# Altium PCB wrist_band_v1.0.PcbDoc (part 2 of 2)
Units mm, origin at the board's own origin, x right, y up, seen from the top; angles counter-clockwise.
Board outline 34.18 x 30.85 mm, 6 copper layers (Top Layer, Layer 1, Layer 3, Layer 4, Layer 2, Bottom Layer), stack 1.546 mm thick; 85 components, 60 nets, 319 pads, 116 vias.
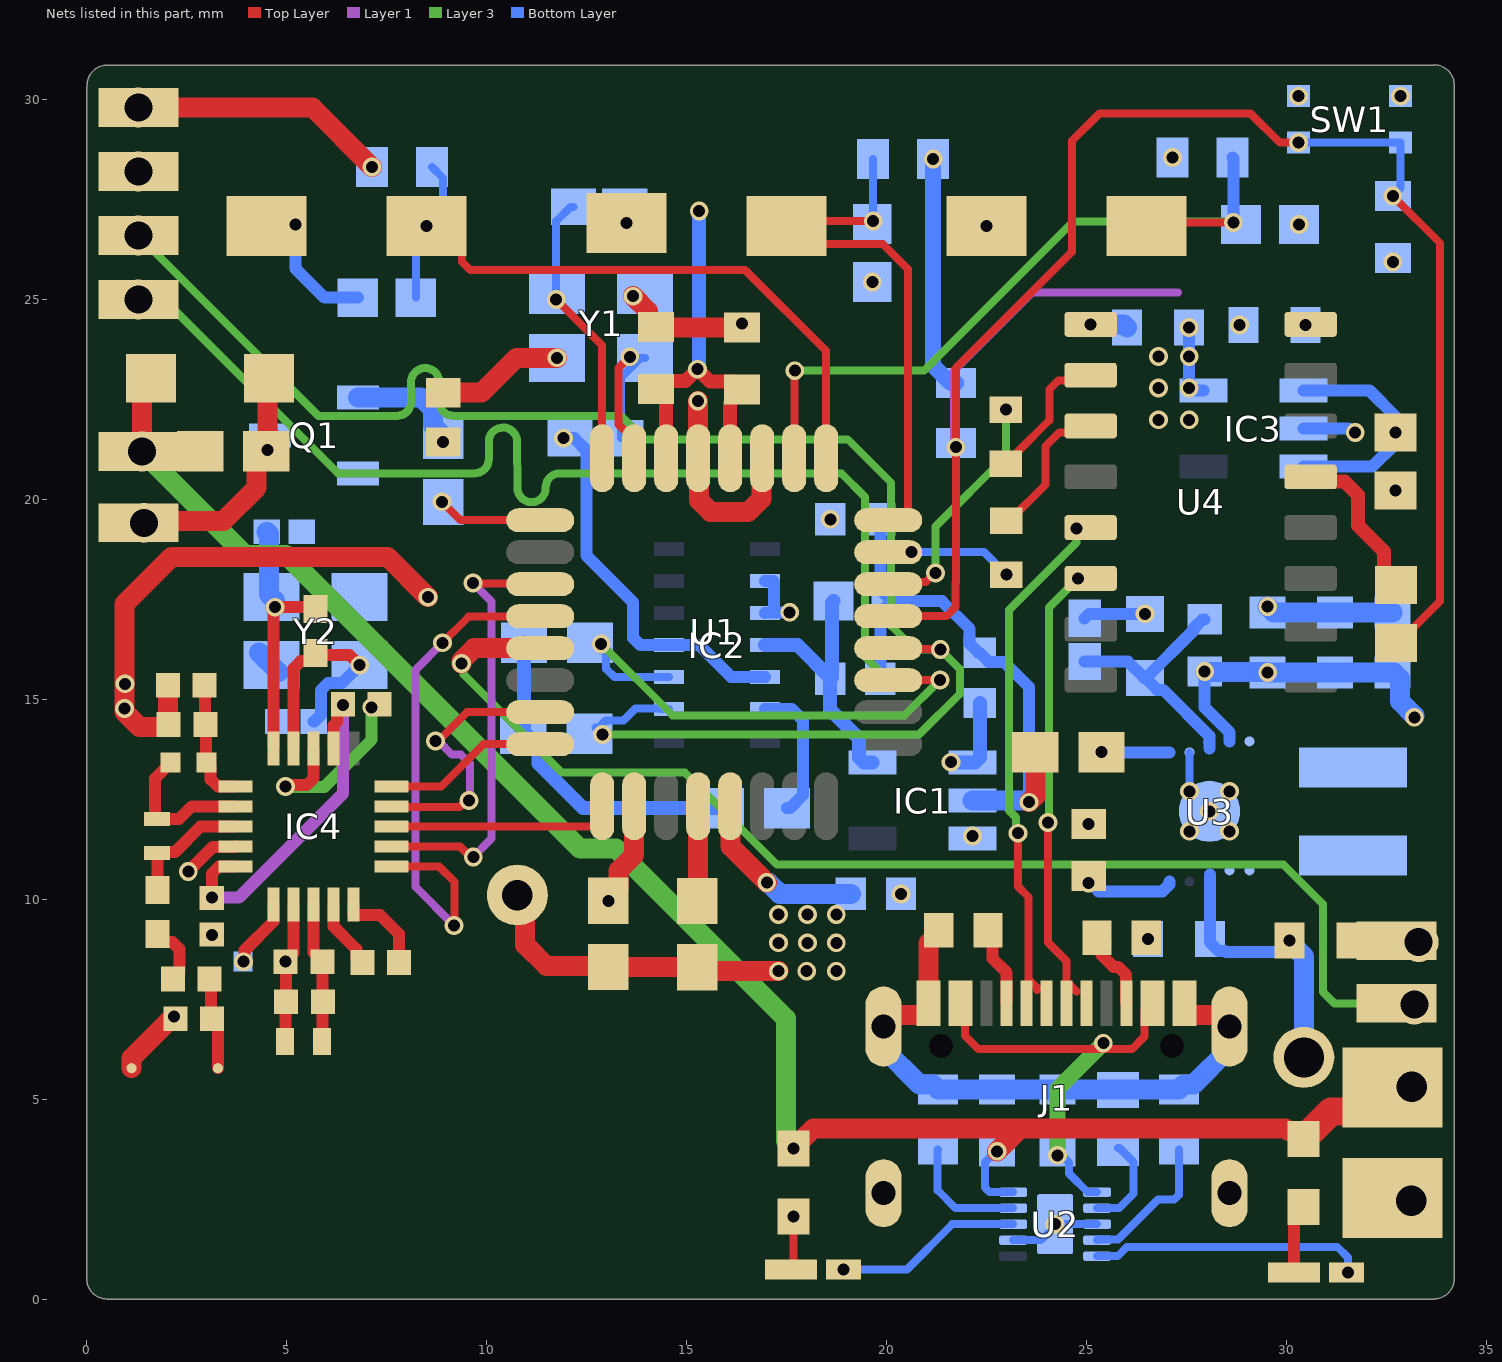
[diagram p6: the nets of this part, all layers, seen from the top]

## Part data (continued)
R20 R21: library part CMP-1659-00009-5, "RES 1K OHM 1% 1/10W 0603", Case Code (Imperial)=0603, Case Code (Metric)=1608, Max Operating Temperature=155°C, Max Power Dissipation=100mW, Min Operating Temperature=-55°C, Resistance=1kR, Resistance Tolerance=1%, Resistor Type="Thick Film", Temperature Coefficient=100ppm/°C, Voltage Rating=50V, Case/Package=0603, Construction=Rectangular, Contact Plating=Tin, Depth=0.8mm, Features="Moisture Resistant", Height=0.45mm, Lead Free="Lead Free", Length=1.6mm, Military Standard=Not, Number of Terminations=2, Packaging="Tape and Reel", Power Rating=100mW, Radiation Hardening=No, REACH SVHC="No SVHC", RoHS Compliant=Yes, Series=RC, Size Code=0603, Technology="THICK FILM", Termination=SMD/SMT, Tolerance=1%
R22 R23: library part CMP-1012-00590-3, "RES Thick Film, 5.1kΩ, 1%, 0.1W, 100ppm/°C, 0603", Case Code (Imperial)=0603, Case Code (Metric)=1608, Max Operating Temperature=155°C, Min Operating Temperature=-55°C, Package Quantity=5000, Power Rating=100mW, Resistance=5.1kR, Temperature Coefficient=100ppm/°C, Tolerance=1%, Voltage Rating=75V, Case/Package=0603, Composition="Thick Film", Contact Plating=Tin, Depth=0.85mm, Height=0.45mm, Lead Free="Lead Free", Length=1.55mm, Military Standard=Not, Mount="Surface Mount", Packaging="Tape and Reel", Radiation Hardening=No, Termination=SMD/SMT, Voltage Rating (DC)=75V, Weight=7.1E-05oz, Width=0.85mm
SW1: "Switch", Manufacturer_Name="TE Connectivity", Mouser Part Number=506-USLPT2819DT2TR, Arrow Part Number=USLPT2819DT2TR, Arrow Price/Stock=https://www.arrow.com/en/products/uslpt2819dt2tr/te-connectivity?region=nac, Datasheet Link=https://www.te.com/commerce/DocumentDelivery/DDEController?Action=srchrtrv&DocNm=2337225-1&DocType=Data%20Sheet&DocLang=English&PartCntxt=2337225-1&DocFormat=pdf, Height=0.6mm, Manufacturer_Part_Number=USLPT2819DT2TR, Mouser Price/Stock=https://www.mouser.co.uk/ProductDetail/TE-Connectivity-PB/USLPT2819DT2TR?qs=qSfuJ%252Bfl%2Fd7zUoyEnK5Yzg%3D%3D
U1: library part CMP-020-00003-3, "8-Bit Microcontroller with 32 KBytes In-System Programmable Flash, 23 I/Os, -40 to 85 degC, 32-Pin TQFP (32A), RoHS, Tray", Case/Package=TQFP, Clock Frequency=20MHz, Manufacturer=Atmel, Max Operating Temperature=85°C, Max Supply Voltage=5.5V, Min Operating Temperature=-40°C, Min Supply Voltage=1.8V, Package Description="32-Pin Thin Profile Plastic Quad Flat Package, Body 7 x 7 mm, Pitch 0.8 mm", Package Quantity=250, Package Reference=32A, ADC Channels=8, Datasheet URL=http://www.atmel.com/images/Atmel-8271-8-bit-AVR-Microcontroller-ATmega48A-48PA-88A-88PA-168A-168PA-328-328P_datasheet_Complete.pdf, Datasheet Version="Rev. 8271J, 11/2015", Density=32KB, Ethernet Channels=0, Frequency=20MHz, I/Os=23, Interface=USART, Manufacturer URL=http://www.atmel.com/, Max Clock Frequency=20MHz, Mounting Technology=SM, Packaging=Tray, Pins=32, PWM Channels=6, RAM Size=2KB, RoHS Compliant=True, USB Channels=0
U2: library part CMP-0321-00456-2, "800 mA, Single-Input, Single Cell Li-Ion Battery Charger with Auto Start. Vovp=6.6 V, 3.5 V, -40 to 85 degC, 10-pin SON (DSQ), Green (RoHS & no Sb/Br)", Manufacturer="Texas Instruments", Over Voltage Protection=N, ComponentLink1Description=Datasheet, ComponentLink1URL=http://www.ti.com/general/docs/lit/getliterature.tsp?genericPartNumber=BQ24040&fileType=pdf, DatasheetVersion=SLUS941A, Eco-Plan="Green (RoHS & no Sb/Br)", Lead Acid=N, Li-Ion=N, Li-Polymer=N, Mounting Technology="Surface Mount", NiCd=N, NiMH=N, PackageDescription="10-Pin Plastic Small Outline No-Lead, 2 x 2 x 0.8 mm Body, 0.4 mm Pitch, Exposed Pad", PackageReference=DSQ0010A, PackageVersion="revB, Apr-2010", PartNumber=BQ24040DSQR, SubFamily="Battery Charge Management", Vin(Min)(V)=3.5
U3: library part CMP-04918-000043-1, "IC REG BCK BST ADJ 2A 10WSON", Ambient Temperature Range High=+85°C, Ambient Temperature Range Low=-40°C, Manufacturer="Texas Instruments", Max Junction Temp=+125°C, Max Supply Voltage=12V, Min Supply Voltage=2.5V, Nominal Supply Current=30uA, Output Current=1A, Output Voltage=2.5-8V, Package=DSC0010G, Switching Frequency=2400kHz, Temperature="-40°C to +85°C", Automotive=No, Category=IC, ComponentLink2Description=Datasheet, ComponentLink2URL=http://www.ti.com/lit/ds/symlink/tps63060.pdf, Device Class L1="Integrated Circuits (ICs)", Device Class L2="Power Management ICs", Device Class L3="Voltage Regulators - Switching", Digikey Description="IC REG BCK BST ADJ 2A 10WSON", Height=0.8mm, Ipc Land Pattern Name=DFN300X300X70-10, Lead Free=Yes, Manufacturer Part Number=TPS63060DSCR, Max Duty Cycle=100%, Mouser Description="Voltage Regulators - Switching Regulators 2.5-12Vin,2.25A Sw Crnt Limit", Number Of Outputs=1, Octopart=https://octopart.com/tps63060dscr-texas+instruments-21396306, Output Type=AdjustableProgrammable, RoHS=TRUE, Standoff Height=0mm, Switching Topology=Buck-Boost, Temperature Range High=+85°C, Temperature Range Low=-40°C
U4: "USB to serial chip CH340", Package=None, Availability="Not in stock", Check_prices=https://www.snapeda.com/parts/CH340C/WCH/view-part/?ref=eda, MF=WCH, MP=CH340C, Price=None, SnapEDA_Link=https://www.snapeda.com/parts/CH340C/WCH/view-part/?ref=snap
Y1: library part CMP-27762-015167-1, "Crystal 16MHz ±30ppm (Tol) ±30ppm (Stability) 10pF FUND 80Ω 4-Pin SMD T/R", Case/Package=CSMD, ESR (Equivalent Series Resistance)=80R, Frequency=16MHz, Frequency Stability=30ppm, Load Capacitance=10pF, Max Operating Temperature=70°C, Min Operating Temperature=-20°C, Operating Frequency="16 MHz", Package Quantity=1000, Depth=2.5mm, Frequency Tolerance=30ppm, Height=1mm, Lead Free="Lead Free", Length=3.2mm, Mount="Surface Mount", Number of Pins=4, Packaging="Tape and Reel", Series=ABM8G, Termination=SMD/SMT, Tolerance=30ppm, Width=2.5mm
Y2: library part CMP-2000-05039-3, "Crystal 12MHz ±20ppm (Tol) ±30ppm (Stability) 18pF FUND 120Ω 4-Pin SMD T/R", Case/Package=CSMD, ESR (Equivalent Series Resistance)=120R, Frequency=12MHz, Frequency Stability=30ppm, Frequency Tolerance=20ppm, Load Capacitance=18pF, Max Operating Temperature=85°C, Min Operating Temperature=-40°C, Operating Frequency="12 MHz", Package Quantity=1000, Depth=2.5mm, Height=1mm, Lead Free="Lead Free", Length=3.2mm, Mount="Surface Mount", Number of Pins=4, Packaging="Tape and Reel", Radiation Hardening=No, Series=ABM8G, Series Resistance=120R, Termination=SMD/SMT, Tolerance=20ppm, Width=2.5mm

## Free pads (board coordinates)
  round 1.524 hole 0.762: 13(10.763,10.1) 39(33.122,5.302) 40(33.115,2.457)
  rect 2x1.5 smd paste+0: 16(4.495,26.82) 17(8.495,26.82) 18(17.495,26.819) 19(22.495,26.819) 20(26.495,26.819) 21(13.495,26.902)
  round 1 hole 0.7: 22(1.378,21.187) 23(1.428,19.406) 24(1.286,26.587) 25(1.286,28.187) 26(1.286,29.786) 27(1.286,24.988) 29(33.295,8.924) 30(33.187,7.359)
  rect 2x0.968 smd paste+0 mask+0: 31(1.286,29.786) 32(1.286,28.187) 33(1.286,26.587) 34(1.286,24.988) 35(1.286,21.187) 36(1.286,19.406) 37(32.745,8.958) 38(32.745,7.392)
  rect 2.5x2 smd paste+0 mask+0: 41(32.646,5.29) 42(32.646,2.527)
  round 1.524 hole 1: 44(30.424,6.039)

## Via types
v1: diameter 0.47, hole 0.3, Top Layer to Bottom Layer, tented both sides, 115 vias
v2: diameter 0.47, hole 0.3, Top Layer to Bottom Layer, 1 vias

## Nets (pads, with @x,y where several pads share a name; then routed paths per layer and width w, separated by ;. In a path a pad name is that pad's centre, name@x,y a point inside that pad or via, vN(x,y) a via of type N, cw(c..) or ccw(c..) an arc to the next point about the centre after c; other vN are vias at no path point)
1.8V: C10.1 C11.1 IC1.5 IC2.11 | length 6.6
  Bottom Layer w0.35: IC2.11@16.96,16.349 17.765,16.349 18.583,15.531 C10.1@18.583,15.504 ; C11.1@18.669,17.447 18.626,17.404 18.626,15.547 C10.1@18.583,15.504 ; IC1.5@19.643,13.411 19.428,13.411 19.303,13.536 19.303,14.014 18.583,14.734 C10.1@18.583,15.504
3V3: C12.1 C23.1 C31.2 C37.1 IC2.9 IC2.10 IC3.5 IC4.7 IC4.15 | length 12.5
  Top Layer w0.3: C31.2@3.121,10.029 3.131,10.029 3.131,10.64 3.307,10.815 IC4.15@3.72,10.815 ; IC4.7@6.17,13.765 6.17,14.342 6.253,14.424 6.253,14.71 6.403,14.86 C37.1@6.403,14.87 ; C37.1@6.389,14.856 v1(6.4,14.845)
  Layer 1 w0.3: v1(3.125,10.037) 3.803,10.037 6.405,12.639 6.405,14.84 v1(6.4,14.845)
  Bottom Layer w0.3: IC2.10@16.96,17.149 17.179,17.168 17.185,17.169 v1(17.573,17.169) ; IC2.9@16.96,17.949 17.16,17.949 17.185,17.924 IC2.10@17.185,17.174 ; v1(27.558,24.287) 27.558,22.861 27.708,22.711 IC3.5@27.914,22.711
  other v1: 18.587,19.494 26.789,21.981 27.56,21.981 26.789,22.772 27.56,22.772 26.789,23.563 27.56,23.563
Battery: C13.1 C15.1 D1.1 pad.22 pad.35 pad.39 pad.41 R5.2 R6.2 U2.10 | length 47.7
  Top Layer w0.5: pad.22@1.378,21.187 pad.35@1.378,21.189 ; D1.1@1.602,23.02 1.378,22.795 pad.35@1.378,21.189 ; C15.1@2.832,21.189 pad.35@1.378,21.189 ; v1(17.664,3.768) 18.165,4.269 23.334,4.269 ; v1(22.759,3.694) 23.334,4.269 ; R6.2@30.411,3.996 30.411,4.046 30.261,4.196 30.041,4.196 29.968,4.269 23.334,4.269
  Top Layer w0.7: R6.2@30.411,3.996 30.411,4.046 30.461,4.096 30.511,4.096 31.102,4.687 32.3,4.687 32.915,5.302 pad.39@33.122,5.302
  Layer 3 w0.5: pad.22@1.378,21.187 3.962,18.603 4.984,18.603 12.328,11.259 13.229,11.259 17.478,7.01 17.478,3.954 v1(17.664,3.768)
  Bottom Layer w0.2: v1(22.759,3.694) 22.728,3.694 22.453,3.419 22.453,2.787 22.571,2.67 U2.10@23.157,2.67
Buzzer: pad.30 pad.38 U1.13 | length 30.9
  Top Layer w0.5: v1(9.365,15.888) 9.365,15.956 9.679,16.27 U1.13@11.335,16.27
  Layer 3 w0.2: v1(9.365,15.888) 9.417,15.836 9.417,15.617 11.877,13.157 14.954,13.157 17.254,10.857 29.917,10.857 30.904,9.87 30.904,7.675 31.189,7.389 32.745,7.392 pad.30@33.187,7.359
D+: J1.A6 J1.B7 U4.5 | length 12.5
  Top Layer w0.2: v1(23.277,11.645) 23.277,10.315 23.548,10.045 23.548,7.989 23.75,7.787 23.75,7.72
  Layer 3 w0.2: v1(23.277,11.645) 23.23,11.692 23.23,12.041 23.057,12.214 23.057,17.224 24.744,18.912 v1(24.744,19.262)
D-: J1.A7 J1.B6 U4.6 | length 11.4
  Top Layer w0.2: v1(24.028,11.91) 24.028,8.911 24.492,8.448 24.492,7.877 J1.A7@24.492,7.394 ; J1.A7@24.555,7.877 24.744,7.688
  Layer 3 w0.2: v1(24.028,11.91) 24.057,11.939 24.057,17.291 v1(24.777,18.011)
GND: A1.2 C1.2 C2.2 C3.2 C4.2 C5.2 C6.2 C7.2 C8.2 C9.2 C10.2 C11.2 C12.2 C13.2 C14.2 C16.2 C17.2 C18.2 C19.2 C20.2 C21.2 C22.1 C23.2 C24.2 C25.2 C26.2 C27.2 C31.1 C34.1 C35.1 C36.1 C37.2 C38.1 C39.1 C40.1 IC1.2 IC2.4 IC2.12 IC3.2 IC4.8 IC4.14 J1.A1_B12 J1.B1_A12 J1.S1 J1.S2 J1.S3 J1.S4 pad.13 pad.16 pad.19 pad.21 pad.25 pad.29 pad.32 pad.37 pad.40 pad.42 Q1.2 R7.1 R8.1 R9.1 R11.1 R14.1 R22.1 R23.2 SW1.T3 SW1.T4 U1.3 U1.5 U1.21 U2.3 U2.7 U2.11 U3.7 U3.11 U4.1 Y1.2 Y1.4 Y2.2 Y2.4 | length 101.2
  Top Layer w0.3: v1(2.537,10.688) 3.153,11.304 3.709,11.304 IC4.14@3.72,11.315 ; v1(4.969,12.816) 4.998,12.845 5.495,12.845 5.67,13.021 IC4.8@5.67,13.765
  Top Layer w0.5: A1.2@1.118,5.771 1.118,6.021 2.044,6.947 2.164,6.947 2.164,7.067 2.214,7.017 C34.1@2.214,7.007 ; C36.1@2.028,15.343 2.035,15.336 2.035,14.368 C35.1@2.041,14.361 2.041,14.354 1.991,14.304 1.313,14.304 0.945,14.672 0.945,17.379 2.121,18.555 7.517,18.555 v1(8.526,17.546) ; R11.1@8.905,22.657 9.868,22.657 10.741,23.531 v1(11.758,23.531) ; pad.13@10.763,10.1 10.959,9.904 10.959,8.855 11.49,8.325 13.015,8.325 C5.2@13.04,8.3 13.042,8.297 15.263,8.297 15.366,8.194 v1(17.293,8.194) ; v1(13.658,25.071) 14.029,24.699 14.029,24.419 14.154,24.294 C4.2@14.229,24.294 14.232,24.291 16.286,24.291 v1(16.383,24.388) ; v1(15.274,22.448) 15.285,22.437 U1.5@15.285,21.02 15.304,21.001 15.304,19.966 15.597,19.673 16.535,19.673 16.866,20.004 16.866,21.001 U1.3@16.885,21.02 ; U1.21@16.085,12.32 16.093,12.312 16.093,11.317 v1(16.998,10.412) ; J1.S1@19.917,6.814 19.917,6.919 20.102,7.104 20.992,7.104 21.042,7.154 21.042,8.896 21.299,9.153 R22.1@21.299,9.216 ; v1(23.557,12.421) 23.711,12.575 C18.2@23.711,13.672 ; J1.B1_A12@27.442,7.394 27.442,7.154 27.492,7.104 28.382,7.104 28.567,6.919 J1.S2@28.567,6.814 ; C16.2@31.62,8.961 31.622,8.958 32.562,8.958 pad.29@33.295,8.924
  Layer 3 w0.3: v1(4.969,12.816) 4.98,12.806 5.943,12.806 7.123,13.986 v1(7.123,14.793)
  Bottom Layer w0.2: U2.7@23.157,1.47 23.857,1.47 24.207,1.82 v1(24.207,1.87) U2.3@25.257,1.87 ; v1(27.567,12.692) U3.7@27.567,13.667
  Bottom Layer w0.3: v1(5.216,26.859) 5.216,25.759 5.942,25.034 C25.2@6.773,25.034 ; v1(11.917,21.519) C6.2@12.076,21.519 12.186,21.519 12.492,21.213 12.492,18.582 13.66,17.414 13.66,16.525 13.836,16.349 IC2.4@14.56,16.349 15.307,16.349 16.107,15.549 IC2.12@16.96,15.549 ; C10.2@19.837,15.504 19.837,17.164 C11.2@20.121,17.447 ; C12.2@19.841,19.494 19.841,17.727 C11.2@20.121,17.447 ; v1(23.557,12.421) 23.557,12.461 23.557,15.297 22.923,15.931 22.548,15.931 C8.2@22.324,16.154 22.297,16.154 22.068,16.383 22.068,16.752 21.373,17.447 C11.2@20.121,17.447 ; C22.1@24.945,17.017 25.057,17.129 v1(26.456,17.129) ; IC3.2@30.414,21.761 31.542,21.761 31.641,21.662 v1(31.708,21.662)
  Bottom Layer w0.5: Y2.2@4.307,16.16 Y2.2@4.79,15.677 ; v1(16.998,10.412) 17.039,10.412 17.323,10.128 C9.2@19.099,10.128 ; J1.S1@19.917,6.814 19.917,6.264 20.812,5.369 21.153,5.369 R8.1@21.278,5.244 C13.2@22.759,5.244 C14.2@24.265,5.244 R7.1@27.301,5.244 27.426,5.369 27.672,5.369 28.567,6.264 J1.S2@28.567,6.814 ; IC1.2@22.143,12.461 v1@23.557,12.461 ; v1(25.094,24.365) 25.93,24.365 C23.2@26.008,24.287 ; v1(29.523,17.313) 29.673,17.163 C21.2@32.641,17.163
  other v1: 2.174,7.057 17.997,8.194 18.737,8.194 17.293,8.904 18.015,8.904 18.737,8.904 26.526,8.997 3.132,9.106 17.293,9.615 18.015,9.615 18.737,9.615 27.567,11.692 28.567,11.692 28.067,12.192 28.567,12.692 0.945,14.76 0.951,15.38 32.719,20.217 28.813,24.349 19.637,25.426 32.65,25.927 22.495,26.819 30.306,26.862 13.495,26.902 30.293,30.069 32.843,30.069
NetA1_1: A1.1 C33.2 C34.2 | length 2.3
  Top Layer w0.3: C33.2@3.069,7.998 3.101,7.966 3.101,7.039 C34.2@3.134,7.007 ; C34.2@3.174,7.052 3.277,6.949 A1.1@3.277,5.771
NetC3_1: C3.1 U1.20 | length 2.4
  Top Layer w0.5: C3.1@15.265,9.949 15.275,9.959 15.275,12.31 U1.20@15.285,12.32
NetC15_2: C15.2 D1.2 pad.23 pad.36 Q1.3 | length 6.5
  Top Layer w0.5: pad.23@1.428,19.406 1.476,19.454 3.416,19.454 4.245,20.284 4.245,20.948 v1(4.519,21.222) 4.519,22.987 D1.2@4.552,23.02 D1.2@4.527,23.045
  Bottom Layer w0.5: v1(4.519,21.222) 4.519,21.544 4.569,21.594 Q1.3@4.58,21.594
NetC16_1: C16.1 C17.1 pad.44 U3.2 U3.3 | length 6.9
  Bottom Layer w0.3: 28.076,10.617 28.076,8.922 28.301,8.697 28.46,8.697 28.477,8.68 30.07,8.68 ; v2@30.07,8.92 v2(30.07,8.961)
  Bottom Layer w0.5: v2@30.07,8.92 30.424,8.566 pad.44@30.424,6.039
NetC18_1: C18.1 U3.6 | length 1.7
  Bottom Layer w0.3: v1(25.365,13.672) 25.37,13.667 U3.6@27.067,13.667
NetC22_2: C22.2 R12.1 R14.2 U3.8 | length 6.3
  Bottom Layer w0.3: C22.2@24.945,15.936 26.024,15.936 26.431,15.529 R14.2@26.456,15.529 ; R12.1@27.943,16.992 27.894,16.992 27.666,16.763 27.666,16.714 26.481,15.529 R14.2@26.456,15.529 ; U3.8@28.057,13.92 28.067,13.91 28.067,13.767 ; U3.8@28.067,13.942 28.067,14.07 26.907,15.229 26.756,15.229 R14.2@26.456,15.529
NetC28_1: C28.1 C29.1 C30.2 IC4.17 R18.2 | length 3.5
  Top Layer w0.3: C30.2@4.959,6.438 4.97,6.449 4.97,7.419 4.974,7.423 4.974,8.427 v1(4.967,8.434) 4.967,8.444 5.17,8.647 IC4.17@5.17,9.865
NetC28_2: C28.2 C29.2 C30.1 IC4.18 | length 3.5
  Top Layer w0.3: IC4.18@5.67,9.865 5.67,8.66 5.887,8.444 C28.2@5.887,8.434 5.894,8.427 5.894,7.437 C29.2@5.901,7.43 5.893,7.421 5.893,6.447 C30.1@5.884,6.438
NetC32_1: C32.1 IC4.20 | length 2.3
  Top Layer w0.3: IC4.20@6.67,9.865 6.67,9.596 7.335,9.596 7.807,9.123 C32.1@7.807,8.413
NetC32_2: C32.2 IC4.19 | length 1.7
  Top Layer w0.3: IC4.19@6.17,9.865 6.17,9.312 6.737,8.745 6.737,8.563 C32.2@6.887,8.413
NetC33_1: C33.1 L2.2 | length 1.5
  Top Layer w0.3: L2.2@1.773,9.123 1.773,9.073 1.923,8.923 2.141,8.923 2.317,8.747 2.317,8.176 2.149,8.008 C33.1@2.149,7.998
NetC41_1: C41.1 U4.13 | length 4
  Top Layer w0.35: U4.13@30.594,20.555 30.708,20.441 31.437,20.441 31.782,20.096 31.782,19.338 32.429,18.69 32.429,18.145 32.729,17.845 C41.1@32.732,17.845
NetIC2_2: IC2.2 pad.24 pad.33 R4.1 U1.28 | length 42.5
  Top Layer w0.2: U1.28@20.052,16.254 v1@21.319,16.254
  Top Layer w0.35: U1.28@20.035,16.27 U1.28@20.052,16.254 ; v1@21.319,16.254 v1(21.336,16.237)
  Layer 3 w0.2: pad.24@1.286,26.587 3.043,24.83 4.24,23.633 5.795,22.078 7.651,22.078 7.751,22.078 ccw(c7.751,22.432) 8.105,22.432 8.105,22.919 cw(c8.459,22.919) 8.813,22.919 8.813,22.432 ccw(c9.167,22.432) 9.167,22.078 10.707,22.078 13.358,22.078 13.944,21.492 19.022,21.492 20.11,20.405 20.11,16.829 20.702,16.237 v1(21.336,16.237) 21.827,15.746 21.827,15.131 20.807,14.111 v1(12.894,14.111)
  Bottom Layer w0.2: v1(12.894,14.111) 12.712,14.294 12.8,14.294 12.968,14.461 13.418,14.461 13.717,14.76 14.349,14.76 14.36,14.749 IC2.2@14.56,14.749
NetIC2_3: IC2.3 pad.27 pad.34 R2.1 U1.27 | length 42.5
  Top Layer w0.2: U1.27@20.039,15.474 v1@21.323,15.474
  Top Layer w0.35: U1.27@20.035,15.47 U1.27@20.039,15.474 ; v1@21.323,15.474 v1(21.327,15.477)
  Layer 3 w0.2: pad.27@1.286,24.988 1.32,24.953 1.969,24.953 6.278,20.644 8.007,20.644 9.697,20.644 ccw(c9.697,20.998) 10.051,21 10.048,21.43 cw(c10.402,21.432) 10.4,21.786 cw(c10.402,21.432) 10.756,21.435 10.764,20.275 ccw(c11.118,20.277) 11.121,19.923 ccw(c11.118,20.277) 11.472,20.28 11.472,20.287 cw(c11.826,20.29) 11.826,20.644 12.643,20.644 18.862,20.644 19.453,20.053 19.453,16.057 20.032,15.477 v1(21.327,15.477) 20.441,14.592 14.647,14.592 v1(12.86,16.378)
  Bottom Layer w0.2: R2.1@12.86,16.214 v1(12.86,16.378) 12.985,16.253 12.985,15.754 13.19,15.549 IC2.3@14.56,15.549
NetIC2_13: IC2.13 R3.2 | length 3.5
  Bottom Layer w0.3: IC2.13@16.96,14.749 17.622,14.749 17.909,14.461 17.909,12.81 ; R3.2@17.505,12.273 17.578,12.273 17.909,12.604 17.909,12.809
NetIC4_1: IC4.1 U1.12 | length 13.3
  Top Layer w0.2: IC4.1@7.62,10.815 8.806,10.815 9.196,10.425 9.196,9.352 v1(9.183,9.338) ; v1(8.895,16.406) 9.547,17.057 11.322,17.057 U1.12@11.335,17.07
  Layer 1 w0.2: v1(8.895,16.406) 8.217,15.727 8.217,10.304 v1(9.183,9.338)
NetIC4_2: IC4.2 U1.11 | length 11.1
  Top Layer w0.2: IC4.2@7.62,11.315 9.329,11.315 9.593,11.051 v1(9.661,11.051) ; v1(9.657,17.9) 9.671,17.885 11.321,17.885 U1.11@11.335,17.87
  Layer 1 w0.2: v1(9.657,17.9) 10.119,17.437 10.119,11.509 v1(9.661,11.051)
NetIC4_3: IC4.3 U1.17 | length 5.7
  Top Layer w0.2: IC4.3@7.62,11.815 U1.17@12.839,11.815
  Top Layer w0.5: U1.17@12.839,11.815 12.885,11.861 U1.17@12.885,12.32
NetIC4_4: IC4.4 U1.15 | length 7
  Top Layer w0.2: IC4.4@7.62,12.315 7.639,12.297 9.32,12.297 9.483,12.46 v1(9.551,12.46) ; v1(8.717,13.95) 8.785,13.95 9.505,14.67 U1.15@11.335,14.67
  Layer 1 w0.2: v1(8.717,13.95) 8.79,13.95 9.125,13.615 9.349,13.615 9.574,13.391 9.574,12.483 v1(9.551,12.46)
NetIC4_5: IC4.5 U1.16 | length 4.2
  Top Layer w0.2: IC4.5@7.62,12.815 8.859,12.815 9.914,13.87 U1.16@11.335,13.87
NetIC4_12: IC4.12 L3.1 L4.1 | length 3.7
  Top Layer w0.3: L4.1@2.097,13.41 1.706,13.019 1.706,12.002 2.31,12.002 2.623,12.315 IC4.12@3.72,12.315
NetIC4_13: IC4.13 L2.1 L3.2 | length 3.1
  Top Layer w0.3: L2.1@1.773,10.266 1.773,11.165 1.78,11.172 2.205,11.172 2.848,11.815 IC4.13@3.72,11.815
NetIC4_16: IC4.16 R18.1 | length 1.7
  Top Layer w0.3: v1(3.915,8.434) 3.943,8.463 3.943,8.713 4.67,9.439 IC4.16@4.67,9.865
NetJ1_A5: J1.A5 R22.2 | length 2
  Top Layer w0.3: R22.2@22.529,9.216 22.646,9.1 22.646,8.511 22.992,8.165 J1.A5@22.992,7.394
NetJ1_B5: J1.B5 R23.1 | length 2.3
  Top Layer w0.3: R23.1@25.166,8.883 R23.1@25.373,8.883 ; R23.1@25.255,9.036 25.373,8.918 R23.1@25.373,8.883 ; R23.1@25.469,8.883 R23.1@25.373,8.883 ; J1.B5@25.992,7.394 25.981,7.405 25.981,8.104 25.783,8.303 25.665,8.303 25.373,8.596 R23.1@25.373,8.883
NetL1_1: L1.1 U3.1
NetL1_2: L1.2 U3.10
NetLED1_1: LED1.1 U2.8 | length 4.7
  Bottom Layer w0.2: v1(18.919,0.741) 20.505,0.741 21.635,1.87 U2.8@23.157,1.87
NetLED1_2: LED1.2 R5.1 | length 1.4
  Top Layer w0.2: LED1.2@17.604,0.741 17.664,0.801 v1(17.664,2.068)
NetLED2_1: LED2.1 U2.5 | length 6.9
  Bottom Layer w0.2: U2.5@25.257,1.07 25.772,1.07 26.007,1.305 31.26,1.305 31.529,1.037 v1(31.529,0.657)
NetLED2_2: LED2.2 R6.1 | length 1.7
  Top Layer w0.3: LED2.2@30.179,0.657 30.179,2.064 R6.1@30.411,2.296
NetQ1_1: Q1.1 R10.2 R11.2 | length 2.8
  Bottom Layer w0.5: Q1.1@6.78,22.544 8.356,22.544 8.649,22.251 8.649,21.834 R10.2@8.905,21.578
  other v1: 8.905,21.426
NetR2_2: R2.2 R3.1 R4.2 | length 8.2
  Bottom Layer w0.35: R2.2@10.927,16.408 10.927,14.148 R4.2@10.913,14.133 10.961,14.133 11.292,13.802 11.292,13.385 12.403,12.273 R3.1@15.851,12.273
NetR7_2: R7.2 U2.4 | length 3.7
  Bottom Layer w0.2: U2.4@25.257,1.47 25.272,1.485 25.779,1.485 26.781,2.488 27.184,2.488 27.301,2.605 R7.2@27.301,3.744
NetR8_2: R8.2 U2.9 | length 3.1
  Bottom Layer w0.2: R8.2@21.278,3.744 21.271,3.737 21.271,2.718 21.719,2.27 U2.9@23.157,2.27
NetR9_2: R9.2 U2.2 | length 2.4
  Bottom Layer w0.2: U2.2@25.257,2.27 25.806,2.27 26.169,2.634 26.169,3.422 25.819,3.772 R9.2@25.778,3.772
NetR10_1: R10.1 U1.9 | length 2.6
  Top Layer w0.2: v1(8.877,19.931) 9.338,19.47 U1.9@11.335,19.47
NetR20_1: R20.1 U1.31 | length 2.6
  Bottom Layer w0.2: v1(20.615,18.672) 22.426,18.672 v1(22.991,18.107)
NetR20_2: R20.2 U4.3 | length 3.6
  Top Layer w0.2: R20.2@22.991,19.461 23.067,19.461 23.965,20.359 23.965,21.317 24.312,21.664 24.933,21.664 U4.3@25.094,21.825
NetR21_1: R21.1 U1.30 | length 6.1
  Top Layer w0.2: U1.30@20.035,17.87 20.094,17.929 20.975,17.929 21.196,18.15 v1(21.217,18.15)
  Layer 3 w0.2: v1(21.217,18.15) 21.217,19.313 22.974,21.07 v1(22.974,22.232)
NetR21_2: R21.2 U4.2 | length 3.5
  Top Layer w0.2: R21.2@22.974,20.879 23.051,20.879 23.28,21.108 23.28,21.185 24.062,21.967 24.062,22.736 24.286,22.96 24.959,22.96 U4.2@25.094,23.095
PG: R13.1 U3.5 | length 2.2
  Bottom Layer w0.3: v1(25.046,10.395) 25.092,10.395 25.295,10.192 26.891,10.192 27.067,10.367 U3.5@27.067,10.432
RST: C1.1 C41.2 R1.1 SW1.T1 SW1.T2 U1.29 | length 45.4
  Top Layer w0.2: U1.29@20.035,17.07 21.489,17.07 21.718,17.299 21.718,17.92 21.724,17.926 v1(21.724,21.296) 21.724,23.275 24.629,26.18 24.629,28.955 25.314,29.64 29.093,29.64 29.824,28.909 v1(30.293,28.909) ; v1(32.65,27.577) 33.833,26.394 33.833,17.447 32.782,16.395 C41.2@32.732,16.395
  Layer 1 w0.2: v1(21.724,21.296) 21.684,21.336 21.684,23.213 23.632,25.161 27.284,25.161
  Bottom Layer w0.2: v1(30.293,28.909) SW1.T2@32.843,28.909 32.843,27.77 v1(32.65,27.577)
Supply: C14.1 J1.A4_B9 J1.B4_A9 U2.1 | length 11.4
  Top Layer w0.2: J1.A4_B9@21.842,7.394 21.954,7.282 21.954,6.584 22.286,6.252 26.135,6.252 26.442,6.559 26.442,7.194 J1.B4_A9@26.642,7.394
  Layer 3 w0.4: v1(24.265,3.594) 24.265,5.247 v1(25.413,6.395)
  Bottom Layer w0.2: C14.1@24.265,3.694 24.281,3.694 24.556,3.419 24.556,3.136 25.022,2.67 U2.1@25.257,2.67
SW1: C25.1 pad.17 R15.1 U1.1 | length 17.8
  Top Layer w0.2: v1(8.495,26.82) 8.732,26.82 9.382,26.17 9.382,25.933 9.586,25.729 16.453,25.729 18.485,23.697 U1.1@18.485,21.02
  Bottom Layer w0.2: C25.1@8.225,25.034 8.225,26.482 8.495,26.752 v1(8.495,26.82) 8.495,26.887 8.908,27.301 8.908,28.019 R15.1@8.626,28.301
SW2: C27.1 pad.18 R17.1 U1.32 | length 14
  Top Layer w0.2: v1(19.659,26.952) 17.627,26.952 pad.18@17.495,26.819 17.943,26.371 19.904,26.371 20.524,25.751 20.524,19.655 20.339,19.47 U1.32@20.035,19.47
  Bottom Layer w0.2: C27.1@19.637,26.878 19.659,26.9 v1(19.659,26.952) R17.1@19.659,28.503
SW3: C26.1 pad.20 R16.1 U1.2 | length 19.3
  Top Layer w0.2: U1.2@17.693,21.028 v1@17.693,23.199 ; pad.20@25.999,26.324 pad.20@26.495,26.819 26.588,26.912 v1(28.661,26.912)
  Top Layer w0.3: U1.2@17.685,21.02 U1.2@17.693,21.028 ; v1@17.693,23.199 v1(17.7,23.207)
  Layer 3 w0.2: v1(17.7,23.207) 20.925,23.207 24.652,26.933 28.64,26.933 v1(28.661,26.912)
  Bottom Layer w0.3: R16.1@28.639,28.54 28.661,28.519 v1(28.661,26.912) C26.1@28.661,26.838
Vcc: C2.1 C4.1 C5.1 C8.1 C9.1 C19.1 C20.1 C21.1 C24.1 C40.2 IC1.1 IC1.3 IC3.1 IC3.3 pad.26 pad.31 R1.2 R12.2 R13.2 R15.2 R16.2 R17.2 U1.4 U1.6 U1.18 U3.9 U4.16 | length 41.3
  Top Layer w0.35: C4.1@14.229,22.744 14.285,22.744 14.485,22.544 U1.6@14.485,21.02 ; C4.1@14.304,22.744 14.504,22.944 14.705,22.944 14.709,22.948 14.971,22.948 v1(15.268,23.246) 15.576,22.938 16.183,22.938 C2.1@16.383,22.738 ; U1.4@16.085,21.02 16.085,22.386 16.108,22.408 16.108,22.538 C2.1@16.308,22.738
  Top Layer w0.5: pad.31@1.286,29.786 5.641,29.786 v1(7.126,28.301) ; C5.1@13.04,10.027 v1(13.04,9.954) 13.296,10.21 13.296,10.713 13.685,11.102 U1.18@13.685,12.32
  Bottom Layer w0.3: R12.2@27.961,15.676 v1(27.947,15.69) 27.947,14.787 28.567,14.167 U3.9@28.567,13.942 ; C19.1@29.509,15.676 v1(29.523,15.663) ; IC3.3@30.414,20.811 32.138,20.811 32.69,21.364 32.69,21.639 v1(32.719,21.667) 32.719,22.059 32.066,22.711 IC3.1@30.414,22.711 ; v1(33.188,14.542) v1@33.188,14.582
  Bottom Layer w0.35: v1(15.268,23.246) 15.31,23.246 v1(15.31,27.2) ; v1(21.603,13.421) 21.608,13.416 22.138,13.416 IC1.1@22.143,13.411 22.199,13.411 22.324,13.536 C8.1@22.324,14.9
  Bottom Layer w0.4: v1(21.159,28.503) 21.159,23.336 21.599,22.896 R1.2@21.724,22.896
  Bottom Layer w0.5: R12.2@27.961,15.676 C19.1@29.509,15.676 ; v1(29.523,15.663) C20.1@31.204,15.663 32.679,15.663 32.829,15.513 32.829,14.941 v1@33.188,14.582
  other v1: 20.353,10.128 22.143,11.575 25.046,11.875 30.463,24.349 27.139,28.54
VDD_PA: C35.2 C36.2 IC4.11 L4.2 | length 3.1
  Top Layer w0.3: C36.2@2.948,15.343 2.955,15.336 2.955,14.368 C35.2@2.961,14.361 2.979,14.343 L4.2@2.979,13.428 ; L4.2@2.997,13.41 3.097,13.31 3.097,12.991 3.273,12.815 IC4.11@3.72,12.815
XTAL1: C6.1 U1.7 Y1.1 | length 5.1
  Top Layer w0.2: v1(13.574,23.555) 13.293,23.274 13.293,21.861 13.685,21.469 U1.7@13.685,21.02
  Bottom Layer w0.2: C6.1@13.357,21.519 13.357,23.03 13.858,23.531 Y1.1@13.958,23.531
XTAL2: C7.1 U1.8 Y1.3 | length 7
  Top Layer w0.2: v1(11.733,24.988) 12.885,23.836 U1.8@12.885,21.02
  Bottom Layer w0.2: v1(11.733,24.988) 11.733,26.946 12.089,27.302 C7.1@12.166,27.302
XTAL_1: C39.2 IC4.10 R19.2 Y2.3 | length 6.6
  Top Layer w0.3: IC4.10@4.67,13.772 4.67,14.128 4.663,14.135 4.663,17.214 4.705,17.256 v1(4.705,17.296) 5.671,17.296 R19.2@5.723,17.245
  Bottom Layer w0.5: C39.2@4.495,19.18 4.499,19.18 4.559,19.12 4.559,17.608 4.705,17.462 v1(4.705,17.296)
XTAL_2: C38.2 IC4.9 R19.1 Y2.1 | length 6
  Top Layer w0.3: IC4.9@5.17,13.765 5.17,15.769 5.346,15.945 5.573,15.945 R19.1@5.723,16.095 ; R19.1@5.723,16.145 R19.1@5.723,16.095 ; v1(6.823,15.845) 6.572,16.095 R19.1@5.723,16.095
  Bottom Layer w0.3: C38.2@5.67,14.44 5.69,14.44 5.85,14.6 5.85,15.219 6.026,15.395 6.373,15.395 v1(6.823,15.845)
pads on no net: IC1.4 IC2.1 IC2.5 IC2.6 IC2.7 IC2.8 IC2.14 IC3.4 IC4.6 J1. J1.A8 J1.B8 U1.10 U1.14 U1.19 U1.22 U1.23 U1.24 U1.25 U1.26 U2.6 U3.4 U4.4 U4.7 U4.8 U4.9 U4.10 U4.11 U4.12 U4.14 U4.15

## Polygon pours and split planes (outlines as drawn)
Vcc on Layer 4 "3V7_L02_P-001" (solid, pour order 15): 11.71,13.913 24.759,13.913 24.759,20.564 28.624,20.564 28.624,26.843 6.009,26.843 6.009,29.516 32.587,29.516 32.587,9.097 11.71,9.097
3V3 on Layer 4 "3V7_L02_P-001" (solid, pour order 14): 6.007,14.355 5.872,14.355 5.872,15.884 17.245,15.884 17.245,25.533 27.943,25.533 27.943,21.341 24.174,21.341 24.174,14.355 6.008,14.355
GND on Layer 1 "3V7_L02_P-001" (solid, pour order 0): 1.095,29.953 1.095,20.253 1.095,1.153 17.495,1.153 32.962,1.153 32.962,29.953
GND on Layer 2 "3V7_L02_P-001" (solid, pour order 1): 1.095,29.953 1.095,10.553 1.095,1.153 32.959,1.153 32.959,29.953

## Other copper
Top Layer:
  region net D-: 24.345,7.962 24.345,6.826 25.138,6.826 25.138,7.962 24.345,7.962
  region net D+: 23.343,7.963 23.343,6.825 24.141,6.825 24.141,7.964 23.343,7.964
  region net NetC28_1: 4.667,8.738 4.669,8.737 4.669,6.201 4.796,6.027 4.986,6.027 5.194,6.027 5.315,6.201 5.315,8.713
  region net NetC28_2: 6.178,8.736 6.25,8.664 6.25,6.171 6.117,6.039 5.7,6.039 5.573,6.167 5.573,8.747
  region net VDD_PA: 2.647,15.649 2.647,13.044 3.028,12.662 4.029,12.662 4.029,12.94 4.009,12.96 3.296,12.96 3.296,15.644
  region net GND: 1.195,15.654 1.195,15.683 2.334,15.683 2.334,14.488 1.129,14.488
Bottom Layer:
  region net NetC16_1: 28.719,8.525 29.416,7.829 29.416,5.941 29.942,5.415 30.518,5.415 30.655,5.553 30.424,5.784 30.424,8.486 30.64,8.486 30.663,8.509 30.307,8.866 29.06,8.866
  region net NetC16_1: 29.689,9.028 30.111,8.679 28.286,8.679 28.286,8.979 27.997,9.268 27.997,10.945 28.596,10.945 28.619,10.922 28.582,9.943
  region net NetC16_1: 30.111,8.679 30.291,8.714 30.233,8.95 30.055,8.95 29.666,9.032 29.666,8.681
  region net 3V3: 28.033,24.735 27.932,24.735 27.049,24.735 26.307,23.281 26.287,23.262 26.287,21.767 26.48,21.574 28.676,21.574 28.926,21.823 28.926,23.241 28.504,23.241 28.033,23.712 28.033,24.287
  region net NetL1_2: 28.927,14.092 28.927,14.562 32.476,14.562 33.157,13.881 33.157,12.71 30.228,12.71 30.1,12.838 30.1,13.892 29.942,14.192 30.049,14.192 29.204,14.192 29.204,13.882 29.159,13.837 28.96,13.837
  region net NetL1_1: 33.147,11.597 33.147,10.618 32.321,9.791 29.213,9.791 28.921,10.083 28.932,10.094 28.932,10.907 29.14,10.907 29.213,10.834 29.213,10.271 29.933,10.271 30.299,10.637
  region net GND: 20.354,5.549 16.726,5.549 16.726,10.69 19.524,10.69 19.524,9.181 20.354,9.181 20.354,5.549
  region net 1.8V: 16.597,16.519 16.597,16.174 17.684,16.174 17.684,15.094 18.272,15.094 18.272,13.111 20.241,13.111 20.241,14.684 18.977,14.684 18.977,16.931 19.207,16.931 19.207,17.95 18.152,17.95 18.152,16.519 16.597,16.519
  region net GND: 0.707,14.27 0.707,16.48 5.037,16.48 5.037,14.042 1.034,14.042
  region net GND: 5.058,19.476 5.058,18.839 6.08,18.839 6.08,16.882 7.573,16.882 7.573,17.275 8.783,17.275 8.783,17.817 7.581,17.817 7.581,20.977 6.111,20.977 6.111,19.476

## Silkscreen, mask and mechanical layers (free items; w line width, h text height)
Top Overlay:
  lines w0.254: 4.495,28.57 4.495,30.32 8.495,30.32 8.495,28.57 ; 13.495,28.569 13.495,30.319 17.495,30.319 17.495,28.595 ; 22.495,28.569 22.495,30.319 26.495,30.319 26.495,28.569
  text "UP" at 5.831,28.903 h0.8
  text "OK" at 14.875,28.874 h0.8
  text "Plus" at 23.355,28.863 h0.8
Bottom Overlay:
  text "vcc" at 4.44,29.41 h0.8
  text "GND" at 4.44,27.863 h0.8
  text "SCL" at 4.44,26.172 h0.8
  text "SDA" at 4.44,24.61 h0.8
  text "M+" at 1.238,22.114 h0.8 r270
  text "M-" at 1.238,17.076 h0.8 r270
Board:
  lines w0.254: 0,30.3 0,0.5 ccw(c0.5,0.5) 0.5,0 33.684,0 ; 0.009,30.347 cw(c0.509,30.347) 0.509,30.847 33.684,30.847 ; 33.684,0.004 ccw(c33.684,0.504) 34.184,0.504 34.184,30.304 ; 33.684,30.854 cw(c33.684,30.354) 34.184,30.354